# Altium PCB PV Refridgerator v0.1.2.PCBDOC (part 1 of 2)
Units mil, origin at the board's own origin, x right, y up, seen from the top; angles counter-clockwise.
Board outline 6000 x 6000 mil, 2 copper layers (Top Layer, Bottom Layer); 126 components, 96 nets, 356 pads, 106 vias.
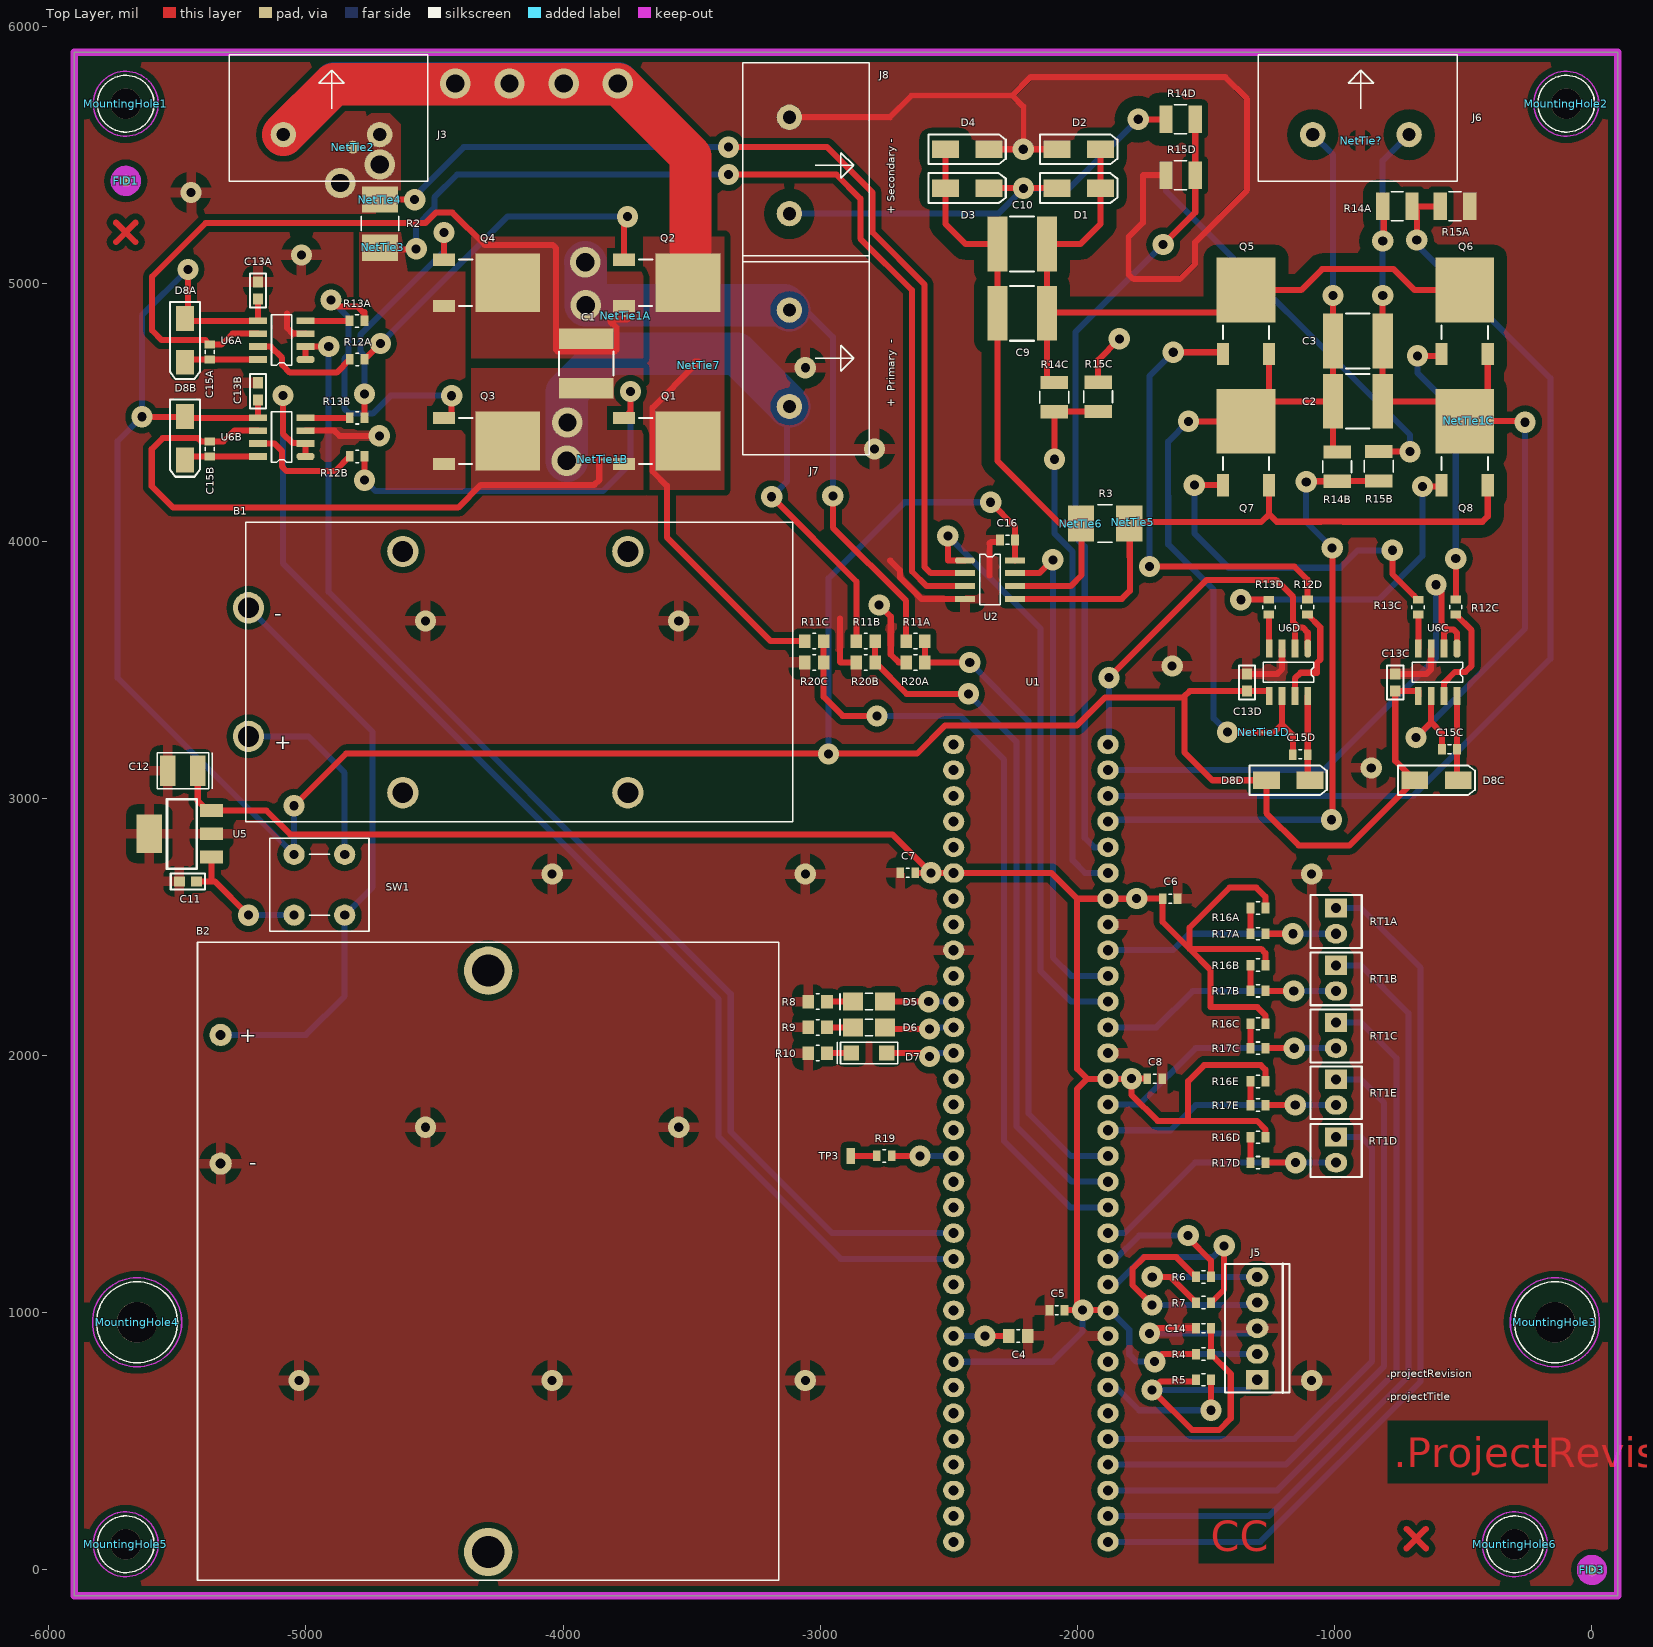
[diagram p0: Top Layer view]
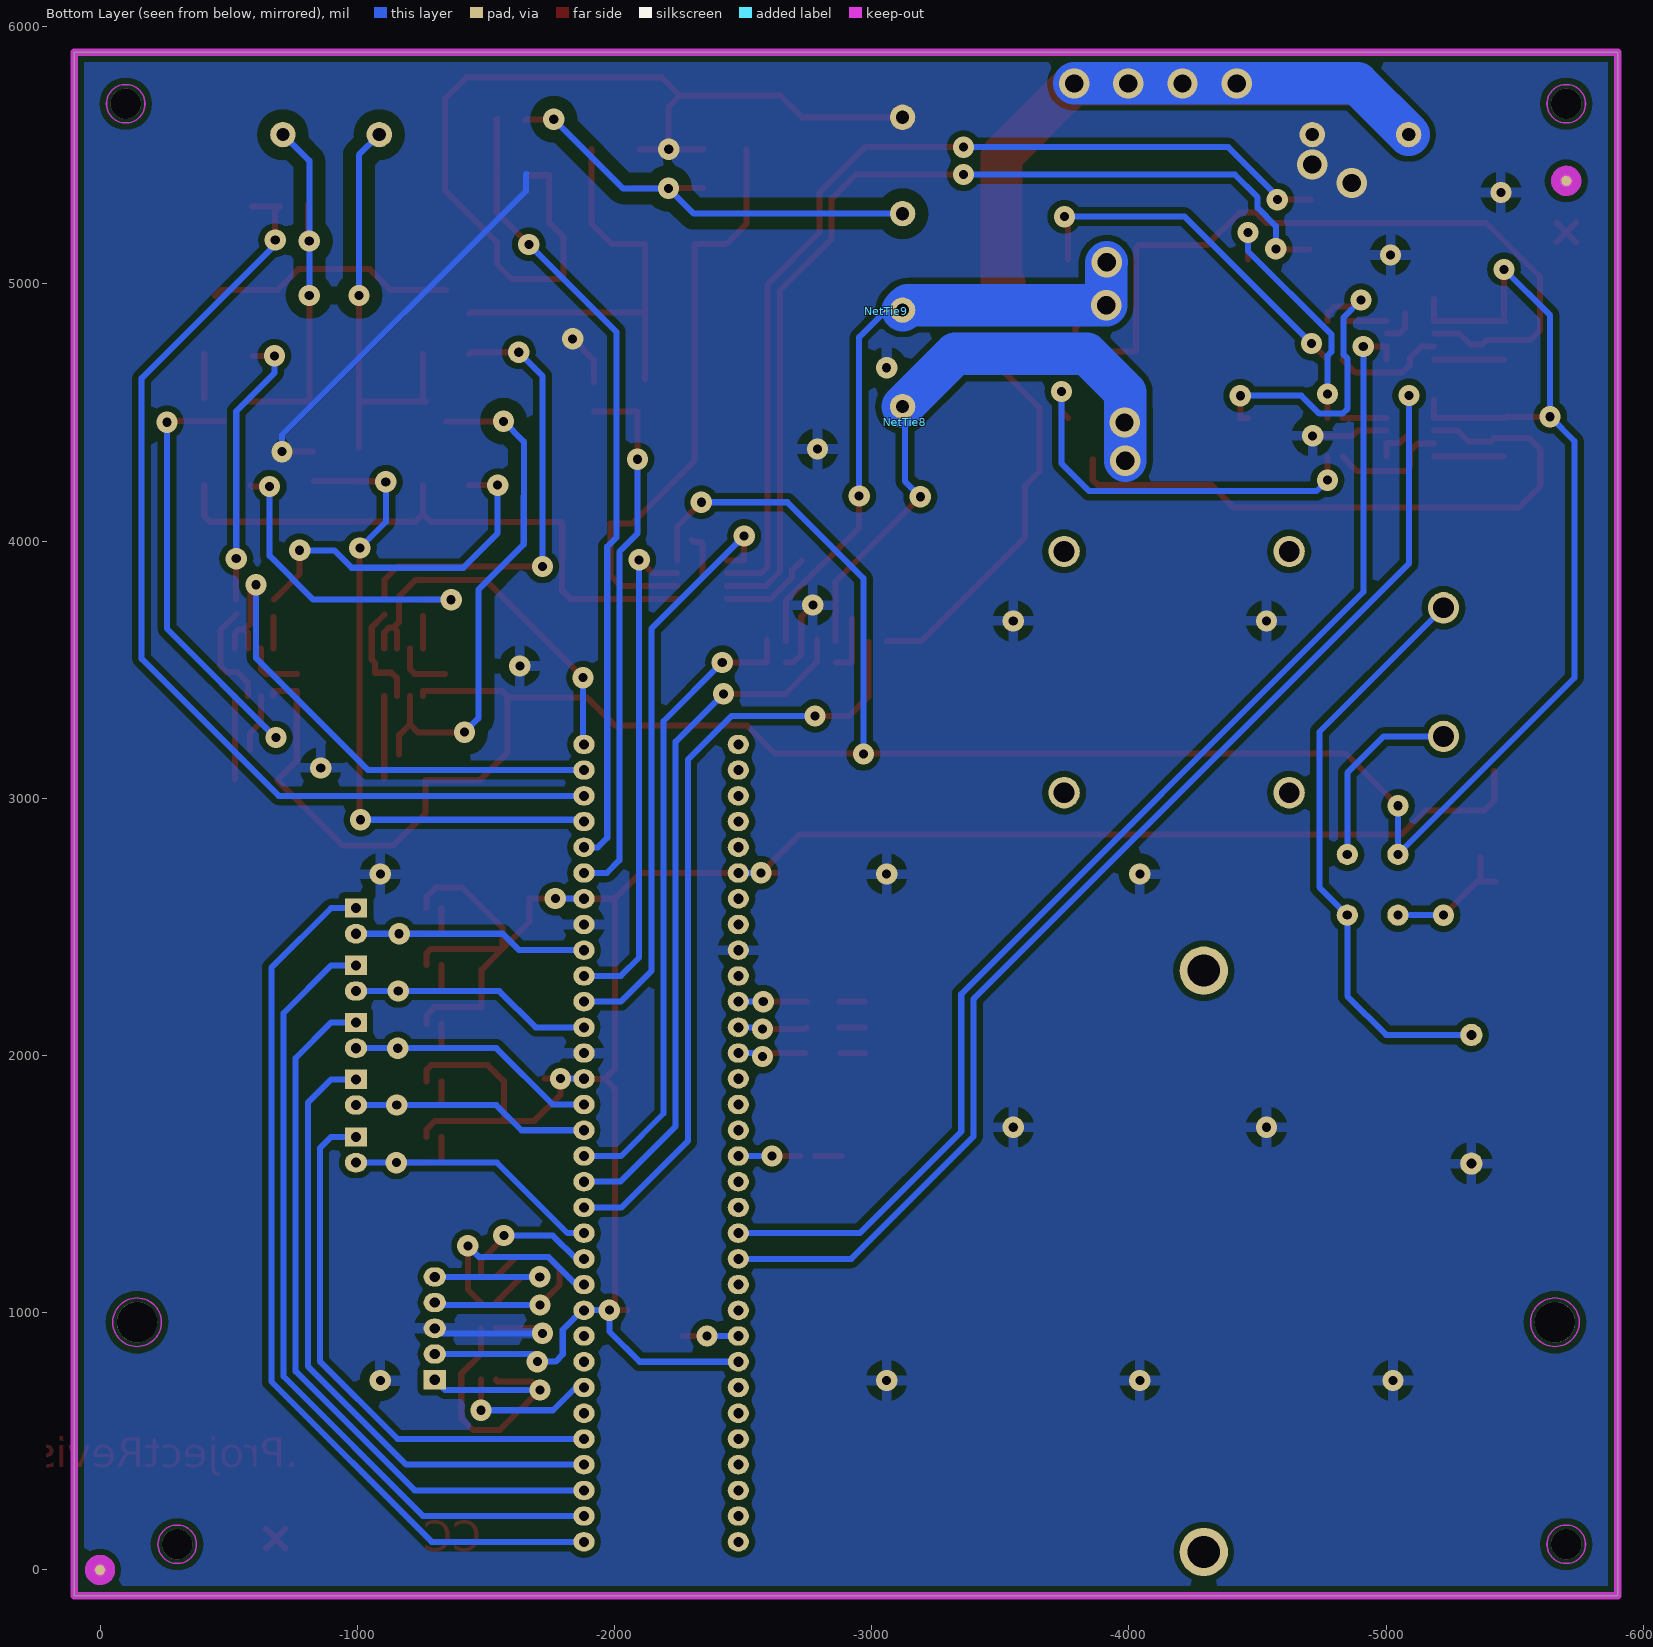
[diagram p1: Bottom Layer view, seen from below]

## Layer stack, top to bottom
Top Solder: solder mask 0.4, Solder Resist, Dk 3.5
Top Layer: signal copper 1.4
Dielectric1: core 12.6, FR-4, Dk 4.8
Bottom Layer: signal copper 1.4
Bottom Solder: solder mask 0.4, Solder Resist, Dk 3.5

## Board outline
-5900,-100 -5900,5900 100,5900 100,-100

## Design rules (kind name [scope] priority, off if disabled: settings)
AssemblyTestpoint [All] p1: testpointundercomponent=TRUE minsize=40 maxsize=100 preferedsize=60 minholesize=0 maxholesize=40 preferedholesize=32 testpointgrid=1 usegrid=FALSE gridtolerance=0.01 allowsidebottom=TRUE
Clearance "Clearance Grounds" [InNetClass('Grounds') vs InNetClass('Grounds')] p1: gap=-1 ignorepadtopadclearanceinfootprint=FALSE except(0: Arc-Hole Track-Hole SMDPad-Hole THPad-Hole Via-Hole Fill-Hole Poly-Hole Region-Hole Text-Hole)
Clearance "High Voltage (171-250V) Clearance" [InNetClass('171-250V')] p2: gap=49.21 ignorepadtopadclearanceinfootprint=FALSE except(0: Arc-Hole Track-Hole SMDPad-Hole THPad-Hole Via-Hole Fill-Hole Poly-Hole Region-Hole Text-Hole)
Clearance "Tracks -VT1.P" [InNet('-VT1.P') vs InNet('NetC15A_2')          or InNet('NetNetTie9_1')] p3: gap=-1 ignorepadtopadclearanceinfootprint=FALSE except(0: Arc-Hole Track-Hole SMDPad-Hole THPad-Hole Via-Hole Fill-Hole Poly-Hole Region-Hole Text-Hole)
Clearance NetTie3 [InNet('NetNetTie3_1') vs InNet('NetNetTie3_2')] p4: gap=-1 ignorepadtopadclearanceinfootprint=FALSE except(0: Arc-Hole Track-Hole SMDPad-Hole THPad-Hole Via-Hole Fill-Hole Poly-Hole Region-Hole Text-Hole)
Clearance NetTie5 [InNet('NetNetTie5_1') vs InNet('NetNetTie5_2')] p5: gap=-1 ignorepadtopadclearanceinfootprint=FALSE except(0: Arc-Hole Track-Hole SMDPad-Hole THPad-Hole Via-Hole Fill-Hole Poly-Hole Region-Hole Text-Hole)
Clearance "Tracks +VT1.P" [InNet('+VT1.P') vs InNet('NetC15b_2')  or InNet('NetNetTie8_1')] p6: gap=-1 ignorepadtopadclearanceinfootprint=FALSE except(0: Arc-Hole Track-Hole SMDPad-Hole THPad-Hole Via-Hole Fill-Hole Poly-Hole Region-Hole Text-Hole)
Clearance "Tracks -DC Bus" [InNet('-DC BUS') vs InNet('NetNetTie6_1')] p7: gap=-1 ignorepadtopadclearanceinfootprint=FALSE except(0: Arc-Hole Track-Hole SMDPad-Hole THPad-Hole Via-Hole Fill-Hole Poly-Hole Region-Hole Text-Hole)
Clearance "Tracks +Vsolar" [InNet('+VSOLAR') vs InNet('NetNetTie7_1')] p8: gap=-1 ignorepadtopadclearanceinfootprint=FALSE except(0: Arc-Hole Track-Hole SMDPad-Hole THPad-Hole Via-Hole Fill-Hole Poly-Hole Region-Hole Text-Hole)
Clearance Tracks [All] p9: gap=23.62 ignorepadtopadclearanceinfootprint=FALSE except(0: Arc-Hole Track-Hole SMDPad-Hole THPad-Hole Via-Hole Fill-Hole Poly-Hole Region-Hole Text-Hole)
ComponentClearance "Fiducials and labels" [HasFootprint('Date Code Label') OR HasFootprint('Fiducial - Top Only') or HasFootprint('1 Pin 14-Gauge Wire Connector') OR HasFootprint('1 Pin 22-Gauge Wire Connector')] p1: gap=-1000 collisioncheckmode=3 verticalgap=5 showdistances=TRUE
ComponentClearance Netties [(ObjectKind = 'Component') And (ComponentType = 'Net Tie')] p2: gap=-1000 collisioncheckmode=3 verticalgap=5 showdistances=TRUE
ComponentClearance "Terminal Blocks" [(HasFootprint('TE 796739-2')) vs (HasFootprint('TE 796739-2'))] p3: gap=-1000 collisioncheckmode=3 verticalgap=5 showdistances=TRUE
ComponentClearance [All] p4: gap=5 collisioncheckmode=3 verticalgap=5 showdistances=TRUE
FabricationTestpoint [All] p1: side=2 testpointundercomponent=TRUE minsize=40 maxsize=100 preferedsize=60 minholesize=0 maxholesize=40 preferedholesize=32 testpointgrid=1 allowsidebottom=TRUE usegrid=FALSE gridtolerance=0.01
HoleSize "Micah Mill Hole Size" [All] p1: absolutevalues=TRUE maxlimit=1000 minlimit=35.43 maxpercent=80.000 minpercent=20.000
HoleSize "OSH Park Hole Size" [All] p2: absolutevalues=TRUE maxlimit=1000 minlimit=13 maxpercent=80.000 minpercent=20.000
HoleSize "Sunstone Hole Size" [All] p3: absolutevalues=TRUE maxlimit=251 minlimit=16 maxpercent=80.000 minpercent=20.000
MinimumAnnularRing [All] p1: minimumring=17.72 // OSH Park
MinimumSolderMaskSliver [(InComponentClass('Inside Board Components'))] p1: minsoldermaskwidth=0
PlaneClearance [All] p1: clearance=39.37
PlaneConnect [All] p1: planeconnectstyle=Relief reliefexpansion=39.37 reliefentries=4 reliefconductorwidth=39.37 reliefairgap=39.37
PolygonConnect "Hi-Power Polygon" [InNetClass('15A')] p1: connectstyle=Direct reliefconductorwidth=10 reliefentries=4 polygonreliefangle="45 Angle" airgapwidth=10
PolygonConnect [All] p2: connectstyle=Relief reliefconductorwidth=39.37 reliefentries=4 polygonreliefangle="90 Angle" airgapwidth=39.37
RoomDefinition Powersupply [InComponentClass('Powersupply')] p1: confinementstyle=ConfineIn formatcopy=TRUE lockcomponents=FALSE outline 188.27,99 4188.27,99 4188.27,2799 188.27,2799
RoomDefinition "Vsense Thermistor2" [InComponentClass('Vsense Thermistor2')] p2: confinementstyle=ConfineIn formatcopy=TRUE lockcomponents=FALSE outline -24711.73,-21901 -22711.73,-21901 -22711.73,-20901 -24711.73,-20901
RoomDefinition "Vsense Thermistor1" [InComponentClass('Vsense Thermistor1')] p3: confinementstyle=ConfineIn formatcopy=TRUE lockcomponents=FALSE outline -24711.73,-21901 -22711.73,-21901 -22711.73,-20901 -24711.73,-20901
RoomDefinition "Vsense Thermistor5" [InComponentClass('Vsense Thermistor5')] p4: confinementstyle=ConfineIn formatcopy=TRUE lockcomponents=FALSE outline 277.27,-2567.93 277.27,-2414.07 841.27,-2414.07 841.27,-2383.03 1185.27,-2383.03 1185.27,-2488.97 803.26,-2488.97 803.26,-2665 559.77,-2665 559.77,-2567.93
RoomDefinition "Vsense Thermistor4" [InComponentClass('Vsense Thermistor4')] p5: confinementstyle=ConfineIn formatcopy=TRUE lockcomponents=FALSE outline 277.27,-3002.93 277.27,-2849.07 841.27,-2849.07 841.27,-2818.03 1185.27,-2818.03 1185.27,-2923.97 803.26,-2923.97 803.26,-3100 559.77,-3100 559.77,-3002.93
RoomDefinition "Vsense Thermistor3" [InComponentClass('Vsense Thermistor3')] p6: confinementstyle=ConfineIn formatcopy=TRUE lockcomponents=FALSE outline 277.27,-3437.93 277.27,-3284.07 841.27,-3284.07 841.27,-3253.03 1185.27,-3253.03 1185.27,-3358.97 803.26,-3358.97 803.26,-3535 559.77,-3535 559.77,-3437.93
RoomDefinition "Vsense 0-2234" [InComponentClass('Vsense 0-2234')] p7: confinementstyle=ConfineIn formatcopy=TRUE lockcomponents=FALSE outline -2361.74,-3483.59 -2361.74,-3379.1 -248.19,-3379.1 -248.19,-3455.1 -2194.26,-3455.1 -2194.26,-3483.59
RoomDefinition "Vsense 0-2233" [InComponentClass('Vsense 0-2233')] p8: confinementstyle=ConfineIn formatcopy=TRUE lockcomponents=FALSE outline -2529.21,-3483.59 -2529.21,-3379.1 -656,-3379.1 -656,-3455.1 -2361.74,-3455.1 -2361.74,-3483.59
RoomDefinition "Vsense 0-2232" [InComponentClass('Vsense 0-2232')] p9: confinementstyle=ConfineIn formatcopy=TRUE lockcomponents=FALSE outline -3795.21,-3515.04 -3795.21,-3379.1 -1859.31,-3379.1 -1859.31,-3483.59 -3643.21,-3483.59 -3643.21,-3515.04
RoomDefinition "Vsense 0-2231" [InComponentClass('Vsense 0-2231')] p10: confinementstyle=ConfineIn formatcopy=TRUE lockcomponents=FALSE outline -6000,-3685.7 -6000,-3609.7 -2194.26,-3609.7 -2194.26,-3379.1 -520.06,-3379.1 -520.06,-3455.1 -2026.78,-3455.1 -2026.78,-3483.59 -2026.78,-3685.7 -5864.06,-3685.7
RoomDefinition "Vsense 0-69.3V1" [InComponentClass('Vsense 0-69.3V1')] p11: confinementstyle=ConfineIn formatcopy=TRUE lockcomponents=FALSE outline -3086.93,3409 -3086.93,3491 -3077.97,3491 -3077.97,3658 -2942.03,3658 -2942.03,3491 -2933.07,3491 -2933.07,3409
RoomDefinition Transformer [InComponentClass('Transformer')] p12: confinementstyle=ConfineIn formatcopy=TRUE lockcomponents=FALSE outline -4767.5,5908.75 -4767.5,8731.25 -1376.25,8731.25 -1376.25,5908.75 -2801.48,5908.75 -2801.48,4328.1 -3308.6,4328.1 -3308.6,5908.75
RoomDefinition Microcontroller [InComponentClass('Microcontroller')] p13: confinementstyle=ConfineIn formatcopy=TRUE lockcomponents=FALSE outline -5864.06,-3682.7 -5864.06,-3609.7 -3407.5,-3609.7 -3407.5,3407.5 -2392.5,3407.5 -2392.5,-3379.1 -1199.75,-3379.1 -1199.75,-3460.09 -3169.21,-3460.09 -3169.21,-3485.04 -3169.21,-3668.7 -4184.69,-3668.7 -5728.06,-3668.7 -5728.06,-3682.7
RoomDefinition ICSP [InComponentClass('ICSP')] p14: confinementstyle=ConfineIn formatcopy=TRUE lockcomponents=FALSE outline -2452.97,2068 -2452.97,2632 -2347.03,2632 -2347.03,2570.04 -965.79,2570.04 -965.79,2029.96 -1822.39,2029.96 -1822.39,2040 -2235,2040 -2235,2068
RoomDefinition "Half H-Bridge Driver4" [InComponentClass('Half H-Bridge Driver4')] p15: confinementstyle=ConfineIn formatcopy=TRUE lockcomponents=FALSE outline -1448.5,4564.5 -1448.5,4595.5 -1431.5,4595.5 -1431.5,3796.43 -1074,3796.43 -1074,3660 -1047.89,3660 -1047.89,3139 -1022,3139 -1022,3001 -1340,3001 -1340,3373.07 -1382,3373.07 -1448.5,3373.07
RoomDefinition "Half H-Bridge Driver3" [InComponentClass('Half H-Bridge Driver3')] p16: confinementstyle=ConfineIn formatcopy=TRUE lockcomponents=FALSE outline -805.65,3373.07 -805.65,3526.93 -717.13,3526.93 -717.13,3660 -716.65,3660 -716.65,3796.43 -510.5,3796.43 -510.5,4818.5 -479.5,4818.5 -479.5,3660 -471.54,3660 -471.54,3139 -445.65,3139 -445.65,3001 -763.65,3001 -763.65,3373.07
RoomDefinition "Half H-Bridge Driver2" [InComponentClass('Half H-Bridge Driver2')] p17: confinementstyle=ConfineIn formatcopy=TRUE lockcomponents=FALSE outline -5539,4241 -5539,4559 -5171.93,4559 -5171.93,4602 -5018.07,4602 -5018.07,4516.48 -4884,4516.48 -4884,4511 -4747.57,4511 -4747.57,4378.5 -3654.5,4378.5 -3654.5,4361.5 -4747.57,4361.5 -4747.57,4297 -4884,4297 -4884,4270.89 -5401,4270.89 -5401,4241
RoomDefinition "Half H-Bridge Driver1" [InComponentClass('Half H-Bridge Driver1')] p18: confinementstyle=ConfineIn formatcopy=TRUE lockcomponents=FALSE outline -5559,4621 -5559,4939 -5184.93,4939 -5184.93,4984 -3685.5,4984 -3685.5,4988.5 -3654.5,4988.5 -3654.5,4971.5 -4765.1,4971.5 -4765.1,4674 -4901.54,4674 -4901.54,4647.89 -5421,4647.89 -5421,4621
RoomDefinition "Vsense (0-69.3V)" [InComponentClass('Vsense (0-69.3V)')] p19: confinementstyle=ConfineIn formatcopy=TRUE lockcomponents=FALSE outline -4892.69,-3532.96 -4892.69,-3379.1 -2913.21,-3379.1 -2913.21,-3485.04 -3415.21,-3485.04 -3415.21,-3515.04 -4810.69,-3515.04 -4810.69,-3532.96
RoomDefinition "Vsense 0-69.3V2" [InComponentClass('Vsense 0-69.3V2')] p20: confinementstyle=ConfineIn formatcopy=TRUE lockcomponents=FALSE outline -3320.46,3409 -3320.46,3491 -3311.5,3491 -3311.5,3658 -3175.56,3658 -3175.56,3491 -3166.6,3491 -3166.6,3409
RoomDefinition "RGB LED" [InComponentClass('RGB LED')] p21: confinementstyle=ConfineIn formatcopy=TRUE lockcomponents=FALSE outline -3643.21,-3515.04 -3643.21,-3379.1 -2727.68,-3379.1 -2727.68,-3007.1 -1099.23,-3007.1 -1099.23,-3379.1 -384.13,-3379.1 -384.13,-3455.1 -3567.21,-3455.1 -3567.21,-3515.04
RoomDefinition "High Voltage H-Bridge" [InComponentClass('High Voltage H-Bridge')] p22: confinementstyle=ConfineIn formatcopy=TRUE lockcomponents=FALSE outline -1495,4170 -1495,5159.7 -345,5159.7 -345,4170
RoomDefinition "High Current H-Bridge" [InComponentClass('High Current H-Bridge')] p23: confinementstyle=ConfineIn formatcopy=TRUE lockcomponents=FALSE outline -4510,4239 -4510,5154 -3330.3,5154 -3330.3,4239
RoomDefinition "Full-Wave Rectifier" [InComponentClass('Full-Wave Rectifier')] p24: confinementstyle=ConfineIn formatcopy=TRUE lockcomponents=FALSE outline -2588,5303 -2588,5592 -1836,5592 -1836,5303 -2070.17,5303 -2070.17,4769.7 -2359.83,4769.7 -2359.83,5303
RoomDefinition "Current Sense" [InComponentClass('Current Sense')] p25: confinementstyle=ConfineIn formatcopy=TRUE lockcomponents=FALSE outline -4374.7,5332.93 -4374.7,5640.3 -4212.7,5640.3 -4212.7,4381 -1531.31,4381 -1531.31,4219 -1931.5,4219 -1931.5,34.5 -1948.5,34.5 -1948.5,3743.57 -2485.02,3743.57 -4374.7,3743.57
RoutingPriority Hi-Power [InNetClass('Hi-Power')] p1: routingpriority=0
RoutingPriority "Non-Hi-Power Tracks" [All] p2: routingpriority=1
RoutingTopology "Analog Routing Topology" [InNet('ANALOG GROUND')] p1: topology=Starburst
RoutingTopology [All] p2: topology=Shortest
RoutingVias "High Power Vias" [InNetClass('15A')] p1: holewidth=70.87 width=118.11 viastyle="Through Hole" minholewidth=70.87 minwidth=118.11 maxholewidth=70.87 maxwidth=118.11
RoutingVias "Signal Vias" [All] p2: holewidth=35.43 width=82.68 viastyle="Through Hole" minholewidth=35.43 minwidth=82.68 maxholewidth=35.43 maxwidth=82.68
SMDNeckDown SMDNeckDown_1 [InNetClass('Power')] p1: percent=5000.000
SMDNeckDown [InNetClass('Extreme Hi-Power')] p2: percent=5000.000
ShortCircuit "Ground Short Circuit" [InNetClass('Grounds') vs InNetClass('Grounds')] p1: allowed=TRUE
ShortCircuit "ShortCircuit -VT1.P" [InNet('-VT1.P') vs InNet('NetC15A_2')          or InNet('NetNetTie9_1')] p2: allowed=TRUE
ShortCircuit "ShortCircuit NetTie3" [InNet('NetNetTie3_1') vs InNet('NetNetTie3_2')] p3: allowed=TRUE
ShortCircuit "ShortCircuit NetTie5" [InNet('NetNetTie5_1') vs InNet('NetNetTie5_2')] p4: allowed=TRUE
ShortCircuit "ShortCircuit -0V" [InNet('0V') vs InNet('NetNetTie4_1')] p5: allowed=TRUE
ShortCircuit "ShortCircuit +VT1.P" [InNet('+VT1.P') vs InNet('NetC15b_2')  or InNet('NetNetTie8_1')] p6: allowed=TRUE
ShortCircuit "ShortCircuit -DC Bus" [InNet('-DC BUS') vs InNet('NetNetTie6_1')] p7: allowed=TRUE
ShortCircuit "ShortCircuit C_Vs" [InNet('C_VS') vs InNet('NetC15D_2')] p8: allowed=TRUE
ShortCircuit "ShortCircuit D_Vs" [InNet('D_VS') vs InNet('NetC15C_2')] p9: allowed=TRUE
ShortCircuit "ShortCircuit +Vsolar" [InNet('+VSOLAR') vs InNet('NetNetTie7_1')] p10: allowed=TRUE
ShortCircuit [All] p11: allowed=FALSE
SilkToSilkClearance [All] p1: silktosilkclearance=0
SilkToSolderMaskClearance SilkscreenOverComponentPads [IsPad] p1: minsilkscreentomaskgap=0 clearancetoexposedcopper=TRUE
SolderMaskExpansion Vias [IsVia] p1: expansion=-2
SolderMaskExpansion "Everything else" [All] p2: expansion=4
Width "High Current Width" [InNetClass('15A')] p1: maxlimit=9999 minlimit=165 preferedwidth=330
Width "Signal trace width" [All] p2: maxlimit=9999 minlimit=23.62 preferedwidth=39.37 checkconnectedcopper=TRUE
18 further rules are at their usual default settings.

## Classes and differential pairs
channel class "Vsense 0-69.3V": "Vsense (0-69.3V)"
channel class "Half H-Bridge Driver": "Half H-Bridge Driver1" "Half H-Bridge Driver2" "Half H-Bridge Driver3" "Half H-Bridge Driver4"
net class 171-250V: "+DC BUS" +VT1.S "-DC BUS" C_VS D_VS HVGND NetNetTie5_2
net class 15A: 0V +VSOLAR +VT1.P -VT1.P NetNetTie3_2
component class "Vsense (0-69.3V)": R11C R20C
component class Transformer: J7 J8 Transformer1
component class "RGB LED": D5 D6 D7 R8 R9 R10
component class "Vsense 0-69.3V2": R11B R20B
component class Overview: FD1 FD2 FID1 FID3 J3 J6 MountingHole1 MountingHole2 MountingHole3 MountingHole4 MountingHole5 MountingHole6 NetTie2 NetTie7 NetTie8 NetTie9 NetTie?
component class Microcontroller: C4 C5 C6 C7 C8 R19 TP3 U1
component class ICSP: C14 J5 R4 R5 R6 R7
component class "High Voltage H-Bridge": C2 C3 Q5 Q6 Q7 Q8
component class "High Current H-Bridge": C1 Q1 Q2 Q3 Q4
component class "Full-Wave Rectifier": C9 C10 D1 D2 D3 D4
component class "Current Sense": C16 NetTie3 NetTie4 NetTie5 NetTie6 R2 R3 U2
component class "Half H-Bridge Driver1": C13A C15A D8A NetTie1A R12A R13A U6A
component class "Half H-Bridge Driver2": C13B C15B D8B NetTie1B R12B R13B U6B
component class "Half H-Bridge Driver3": C13C C15C D8C NetTie1C R12C R13C U6C
component class "Half H-Bridge Driver4": C13D C15D D8D NetTie1D R12D R13D U6D
component class "Vsense 0-69.3V1": R11A R20A
component class Powersupply: B1 B2 C11 C12 SW1 U5
component class "Vsense 0-2231": R14A R15A
component class "Vsense 0-2232": R14B R15B
component class "Vsense 0-2233": R14C R15C
component class "Vsense 0-2234": R14D R15D
component class "Vsense Thermistor1": R16A R17A RT1A
component class "Vsense Thermistor2": R16B R17B RT1B
component class "Vsense Thermistor3": R16C R17C RT1C
component class "Vsense Thermistor4": R16D R17D RT1D
component class "Vsense Thermistor5": R16E R17E RT1E
channel class "Vsense Thermistor": VsenseThermistor1 VsenseThermistor2 VsenseThermistor3 VsenseThermistor4 VsenseThermistor5
net class Grounds: 0V GND HVGND
